# Altium PCB KlusterLab r2.0.PcbDoc (part 10 of 22)
Units mm, origin at the board's own origin, x right, y up, seen from the top; angles counter-clockwise.
Board outline 232 x 250 mm, 12 copper layers (L1 Top, L2 Inner1 (GND), L3 Inner2 (Sig), L4 Inner3 (GND), L5 Inner4 (PWR), L6 Inner5 (PWR), L7 Inner6 (PWR), L8 Inner7 (PWR), L9 Inner8 (GND), L10 Inner9 (Sig), L11 Inner10 (GND), L12 Bottom), stack 1.614 mm thick; 1169 components, 852 nets, 4679 pads, 5115 vias.
Unrouted connection lines stored in the file: 1.
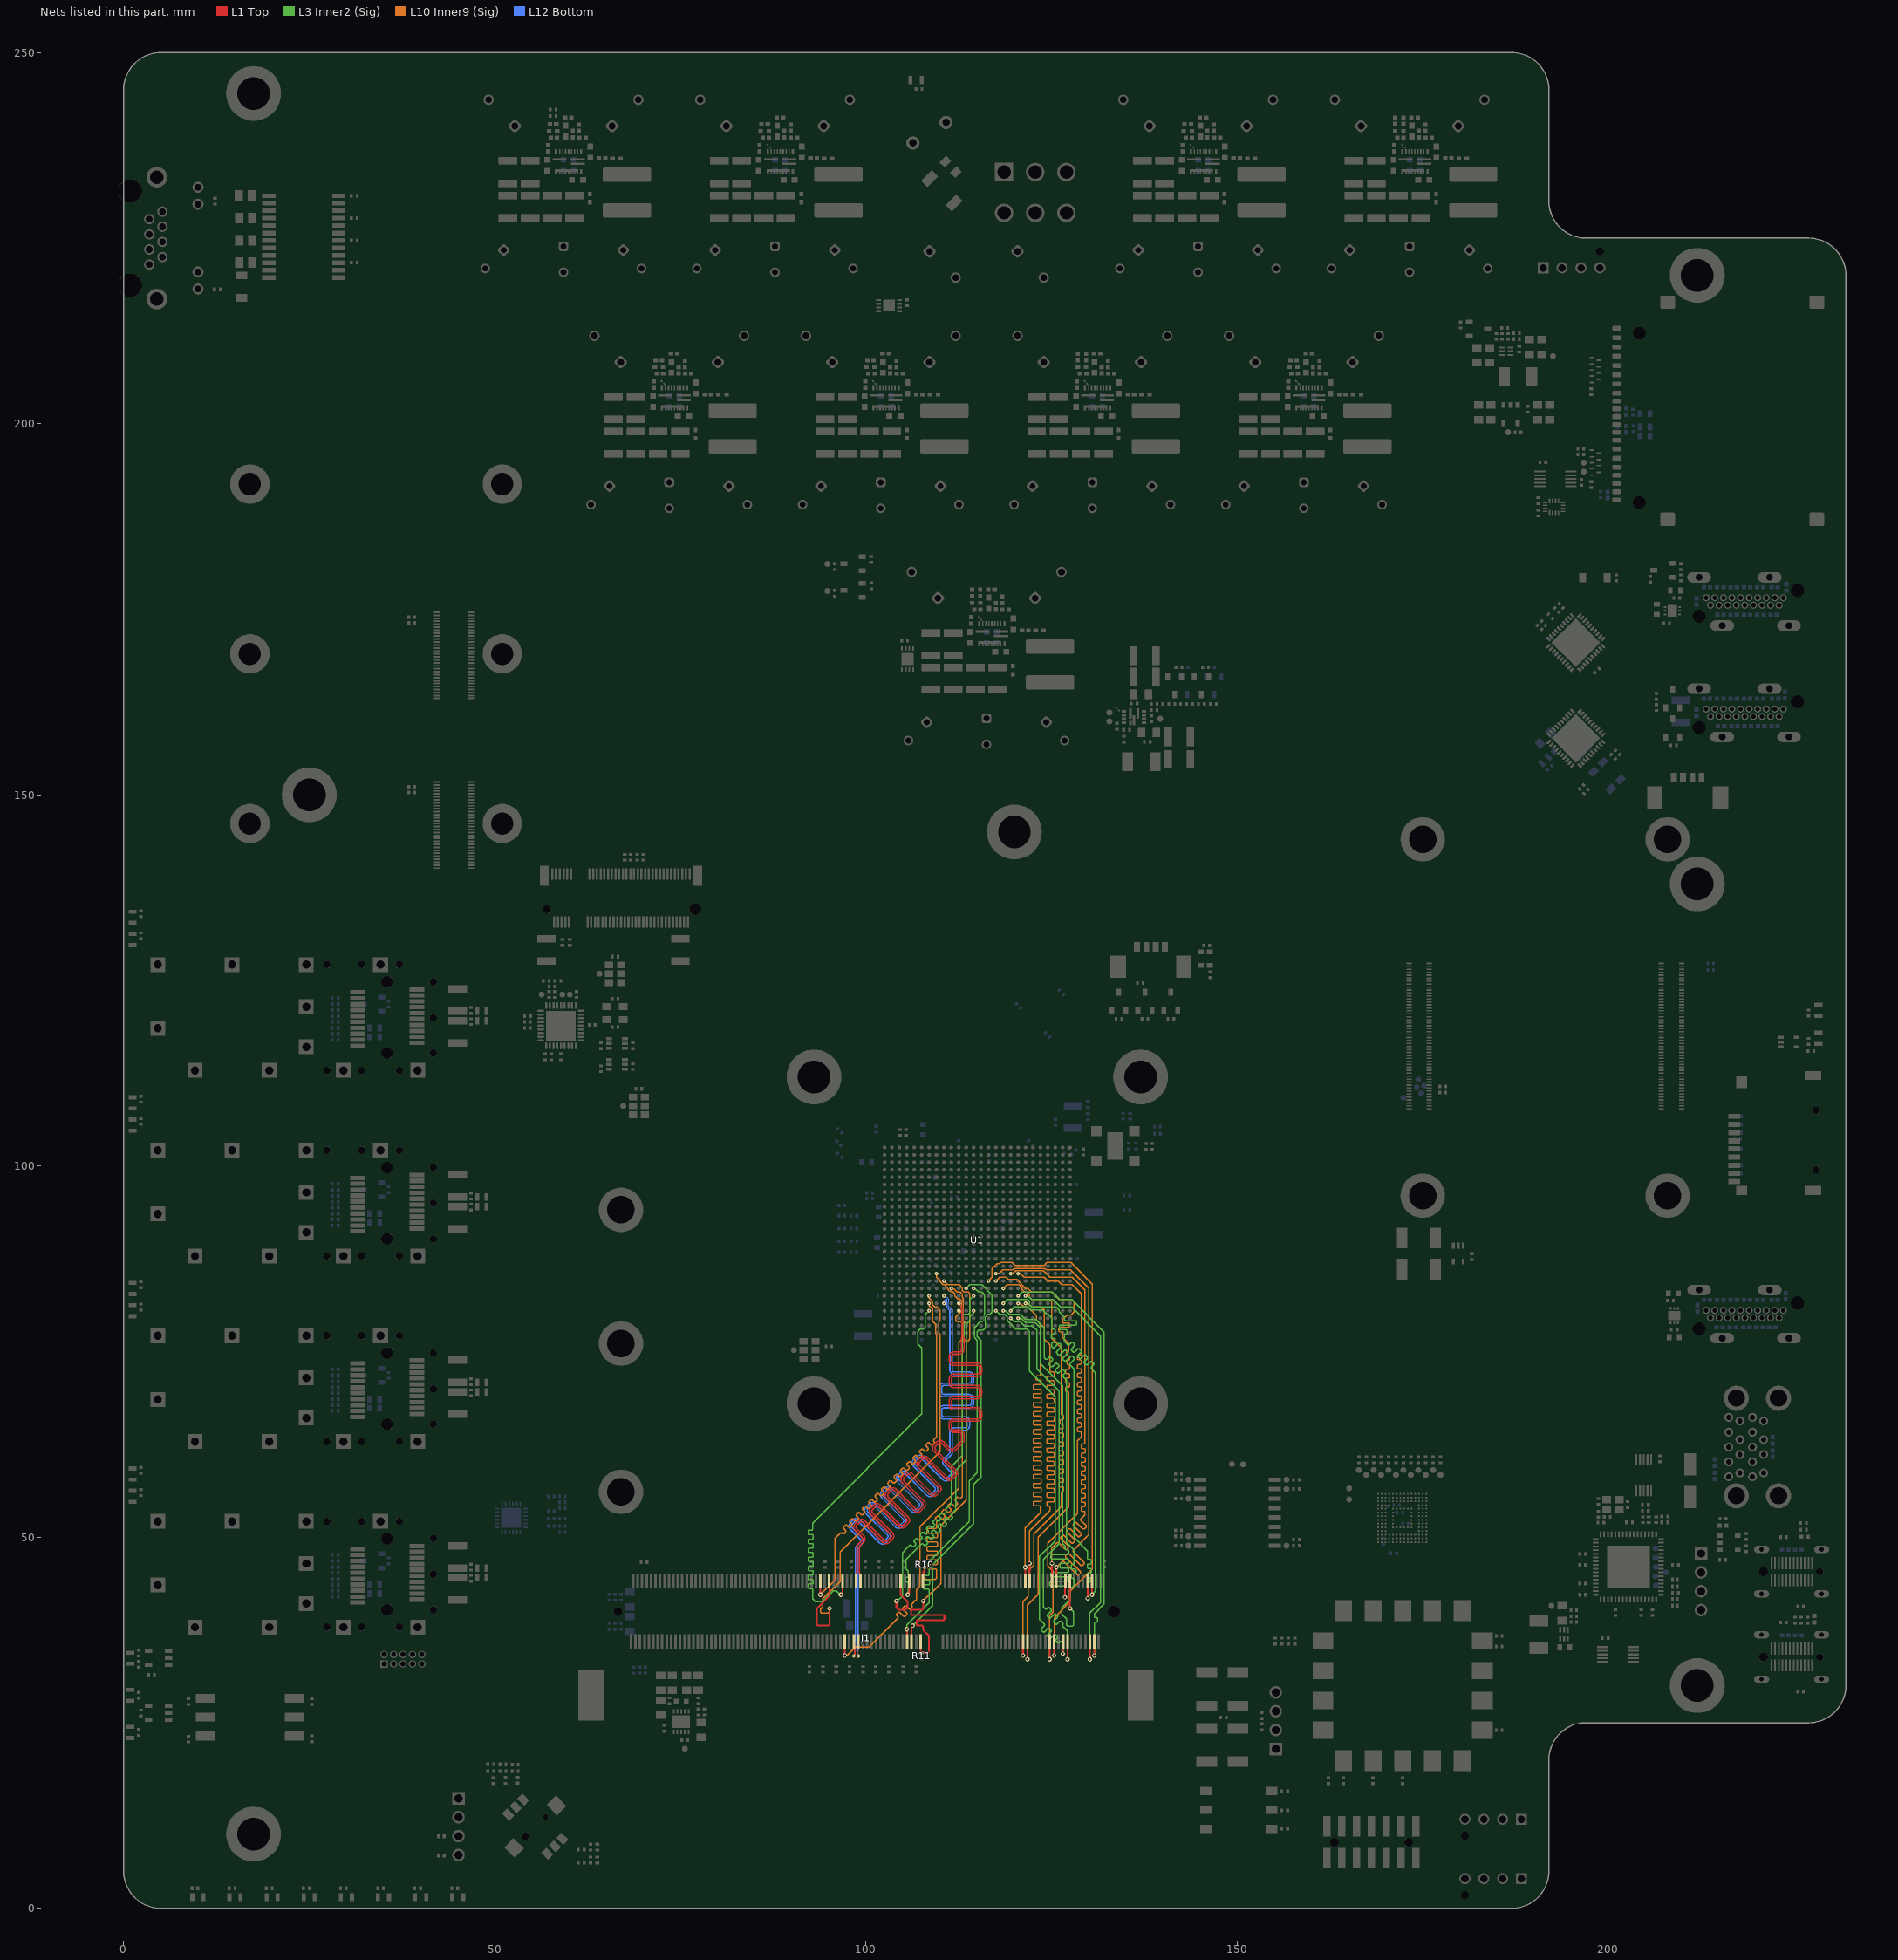
[diagram p20: the nets of this part, all layers, seen from the top]

## Via types
v1: diameter 0.45, hole 0.2, L1 Top to L12 Bottom, tented both sides, 4200 vias
v2: diameter 0.6, hole 0.3, L1 Top to L12 Bottom, tented both sides, 908 vias
v3: diameter 0.4, hole 0.2, L1 Top to L12 Bottom, tented both sides, 7 vias

## Nets (pads, with @x,y where several pads share a name; then routed paths per layer and width w, separated by ;. In a path a pad name is that pad's centre, name@x,y a point inside that pad or via, vN(x,y) a via of type N, cw(c..) or ccw(c..) an arc to the next point about the centre after c; other vN are vias at no path point) (continued)
DDR3_A12: J1.83 U1.AA13 | length 57
  L1 Top w0.249: v2(104.1,41.4) 104.1,40.5 104.4,40.2 105.3,40.2 105.6,40.5 105.6,41.3 104.65,42.25 J1.83@104.65,44.1
  L3 Inner2 (Sig) w0.154: v2(104.1,41.4) 104.221,41.4 104.9,42.079 104.9,47.9 105.406,48.406 105.888,48.888 cw(c105.997,48.779) 106.106,48.888 106.244,48.75 ccw(c106.35,48.857) 106.457,48.75 106.671,48.964 ccw(c106.564,49.07) 106.671,49.177 106.502,49.346 cw(c106.609,49.452) 106.502,49.559 106.716,49.773 cw(c106.822,49.666) 106.929,49.773 107.098,49.604 ccw(c107.205,49.711) 107.311,49.604 107.525,49.818 ccw(c107.418,49.925) 107.525,50.031 107.356,50.2 cw(c107.463,50.307) 107.356,50.413 107.57,50.627 cw(c107.677,50.52) 107.783,50.627 107.952,50.458 ccw(c108.059,50.565) 108.166,50.458 108.379,50.672 ccw(c108.272,50.779) 108.379,50.886 108.211,51.054 cw(c108.317,51.161) 108.211,51.268 108.424,51.481 cw(c108.531,51.374) 108.638,51.481 108.806,51.313 ccw(c108.913,51.419) 109.02,51.313 109.233,51.526 ccw(c109.127,51.633) 109.233,51.74 109.065,51.908 cw(c109.172,52.015) 109.065,52.122 109.278,52.335 cw(c109.385,52.229) 109.492,52.335 109.637,52.19 ccw(c109.744,52.297) 109.851,52.19 110.064,52.404 ccw(c109.958,52.511) 110.064,52.617 109.919,52.763 cw(c110.026,52.869) 109.919,52.976 110.133,53.19 cw(c110.239,53.083) 110.346,53.19 110.377,53.159 ccw(c110.484,53.266) 110.59,53.159 110.804,53.373 ccw(c110.697,53.479) 110.804,53.586 cw(c110.913,53.695) 110.804,53.804 111.294,54.294 111.5,54.5 111.5,59.5 113,61 113,72.979 ; 113,72.98 113,76.5 113.2,76.7 113.2,79 113,79.2 113,79.8 113.2,80 113.8,80 114,80.2 114,82 v1(114.5,82.5)
DDR3_A13: J1.119 U1.AB7 | length 62.8
  L1 Top w0.249: v2(93.85,42.25) J1.119@93.85,44.1
  L10 Inner9 (Sig) w0.154: v2(93.85,42.25) 95.8,44.2 95.8,49.8 96.06,50.06 96.542,50.542 cw(c96.651,50.433) 96.76,50.542 96.812,50.489 ccw(c96.919,50.596) 97.026,50.489 97.239,50.703 ccw(c97.132,50.81) 97.239,50.916 97.001,51.155 cw(c97.107,51.262) 97.001,51.369 97.214,51.582 cw(c97.321,51.475) 97.428,51.582 97.666,51.344 ccw(c97.773,51.45) 97.88,51.344 98.093,51.557 ccw(c97.987,51.664) 98.093,51.771 97.855,52.009 cw(c97.962,52.116) 97.855,52.223 98.068,52.436 cw(c98.175,52.33) 98.282,52.436 98.521,52.198 ccw(c98.627,52.305) 98.734,52.198 98.948,52.411 ccw(c98.841,52.518) 98.948,52.625 98.709,52.864 cw(c98.816,52.97) 98.709,53.077 98.923,53.291 cw(c99.029,53.184) 99.136,53.291 99.375,53.052 ccw(c99.482,53.159) 99.588,53.052 99.802,53.266 ccw(c99.695,53.372) 99.802,53.479 99.563,53.718 cw(c99.67,53.825) 99.563,53.931 99.777,54.145 cw(c99.884,54.038) 99.99,54.145 100.229,53.906 ccw(c100.336,54.013) 100.443,53.906 100.656,54.12 ccw(c100.549,54.227) 100.656,54.333 100.417,54.572 cw(c100.524,54.679) 100.417,54.786 100.631,54.999 cw(c100.738,54.892) 100.845,54.999 101.083,54.761 ccw(c101.19,54.867) 101.297,54.761 101.51,54.974 ccw(c101.404,55.081) 101.51,55.188 101.272,55.426 cw(c101.379,55.533) 101.272,55.64 101.485,55.853 cw(c101.592,55.747) 101.699,55.853 101.938,55.615 ccw(c102.044,55.722) 102.151,55.615 102.365,55.828 ccw(c102.258,55.935) 102.365,56.042 102.126,56.281 cw(c102.233,56.387) 102.126,56.494 102.34,56.708 cw(c102.446,56.601) 102.553,56.708 102.792,56.469 ccw(c102.899,56.576) 103.005,56.469 103.219,56.683 ccw(c103.112,56.789) 103.219,56.896 102.98,57.135 cw(c103.087,57.242) 102.98,57.348 103.194,57.562 cw(c103.301,57.455) 103.407,57.562 103.646,57.323 ccw(c103.753,57.43) 103.86,57.323 104.073,57.537 ccw(c103.966,57.644) 104.073,57.75 103.834,57.989 cw(c103.941,58.096) 103.834,58.203 104.048,58.416 cw(c104.155,58.309) 104.262,58.416 104.5,58.178 ccw(c104.607,58.284) 104.714,58.178 104.927,58.391 ccw(c104.821,58.498) 104.927,58.605 104.689,58.843 cw(c104.796,58.95) 104.689,59.057 104.902,59.27 cw(c105.009,59.164) 105.116,59.27 105.355,59.032 ccw(c105.461,59.139) 105.568,59.032 105.782,59.245 ccw(c105.675,59.352) 105.782,59.459 105.543,59.698 cw(c105.65,59.804) 105.543,59.911 105.757,60.125 cw(c105.863,60.018) 105.97,60.125 106.209,59.886 ccw(c106.316,59.993) 106.422,59.886 106.636,60.1 ccw(c106.529,60.206) 106.636,60.313 106.397,60.552 cw(c106.504,60.659) 106.397,60.765 106.611,60.979 cw(c106.718,60.872) 106.824,60.979 107.063,60.74 ccw(c107.17,60.847) 107.277,60.74 107.49,60.954 ccw(c107.383,61.061) 107.49,61.167 107.251,61.406 cw(c107.358,61.513) 107.251,61.62 107.465,61.833 cw(c107.572,61.726) 107.679,61.833 107.917,61.595 ccw(c108.024,61.701) 108.131,61.595 108.344,61.808 ccw(c108.238,61.915) 108.344,62.022 108.106,62.26 cw(c108.212,62.367) 108.106,62.474 108.319,62.687 cw(c108.426,62.581) 108.533,62.687 108.771,62.449 ccw(c108.878,62.556) 108.985,62.449 109.199,62.662 ccw(c109.092,62.769) 109.199,62.876 109.146,62.928 cw(c109.255,63.037) 109.146,63.146 109.414,63.414 109.5,63.5 109.5,77.3 109.4,77.4 109.4,78.7 109,79.1 109,80.7 108.518,81.182 108.518,81.482 v1(108.5,81.5)
DDR3_A14: J1.80 U1.Y13 | length 56.1
  L1 Top w0.249: v2(105.5,37.6) 105.525,37.575 105.525,35.925 J1.80@105.55,35.9
  L3 Inner2 (Sig) w0.1: 115.7,79 115.9,79.2 115.9,79.9 116,80
  L3 Inner2 (Sig) w0.154: v2(105.5,37.6) 105.5,38.2 108.5,41.2 108.5,42.788 108.5,42.865 ccw(c108.346,42.865) 108.346,43.019 107.891,43.019 cw(c107.891,43.17) 107.74,43.17 107.74,43.472 cw(c107.891,43.472) 107.891,43.623 108.439,43.623 ccw(c108.439,43.774) 108.59,43.774 108.59,44.076 ccw(c108.439,44.076) 108.439,44.227 107.891,44.227 cw(c107.891,44.378) 107.74,44.378 107.74,44.681 cw(c107.891,44.681) 107.891,44.832 108.346,44.832 ccw(c108.346,44.986) 108.5,44.986 108.5,45.7 108.5,46.7 113.9,52.1 113.9,57.6 115,58.7 115,76.5 114.6,76.9 114.6,77.8 114.6,78.2 115.4,79 115.7,79 ; v1(114.5,83.5) 114.557,83.443 114.757,83.443 115.2,83 115.6,83 116,82.6 116,80
DDR3_A15: J1.78 U1.Y12 | length 56.4
  L1 Top w0.249: J1.78@106.15,35.9 106.15,37.855 106.3,38.005 v2(106.3,38.1)
  L3 Inner2 (Sig) w0.1: 116.1,79 116.1,79.7 116.3,79.9
  L3 Inner2 (Sig) w0.154: v2(106.3,38.1) 109,40.8 109,46.3 114.5,51.8 114.5,57.1 115.5,58.1 115.5,72.98 115.5,76.5 115,77 115,77.7 115.2,77.9 115.8,77.9 116.1,78.2 116.1,78.332 116.098,78.333 116.098,78.998 116.1,79 ; v1(113.5,83.5) 114,84 115.6,84 117,82.6 117,80.3 116.7,80 116.4,80 116.3,79.9
DDR3_BA0: J1.109 U1.AC7 | length 60.4
  L1 Top w0.249: v2(96.625,42.25) 96.625,42.345 96.85,42.57 J1.109@96.85,44.1
  L3 Inner2 (Sig) w0.15: 107.5,73.1 107.5,75.5 107,76 107,77.7 107.3,78 107.7,78 108,78.3 108,80 v1(108.5,80.5)
  L3 Inner2 (Sig) w0.154: v2(96.625,42.25) 96.574,42.25 96.024,42.8 95.6,42.8 94.1,41.3 93.2,41.3 92.8,41.7 92.8,42.859 92.8,42.936 ccw(c92.646,42.936) 92.646,43.09 92.365,43.09 cw(c92.365,43.241) 92.214,43.241 92.214,43.543 cw(c92.365,43.543) 92.365,43.694 92.752,43.694 ccw(c92.752,43.845) 92.903,43.845 92.903,44.147 ccw(c92.752,44.147) 92.752,44.298 92.365,44.298 cw(c92.365,44.449) 92.214,44.449 92.214,44.751 cw(c92.365,44.751) 92.365,44.902 92.752,44.902 ccw(c92.752,45.053) 92.903,45.053 92.903,45.355 ccw(c92.752,45.355) 92.752,45.506 92.365,45.506 cw(c92.365,45.657) 92.214,45.657 92.214,45.959 cw(c92.365,45.959) 92.365,46.11 92.752,46.11 ccw(c92.752,46.261) 92.903,46.261 92.903,46.563 ccw(c92.752,46.563) 92.752,46.714 92.365,46.714 cw(c92.365,46.865) 92.214,46.865 92.214,47.167 cw(c92.365,47.167) 92.365,47.318 92.752,47.318 ccw(c92.752,47.469) 92.903,47.469 92.903,47.771 ccw(c92.752,47.771) 92.752,47.922 92.365,47.922 cw(c92.365,48.073) 92.214,48.073 92.214,48.375 cw(c92.365,48.375) 92.365,48.526 92.752,48.526 ccw(c92.752,48.677) 92.903,48.677 92.903,48.979 ccw(c92.752,48.979) 92.752,49.13 92.365,49.13 cw(c92.365,49.281) 92.214,49.281 92.214,49.583 cw(c92.365,49.583) 92.365,49.734 92.752,49.734 ccw(c92.752,49.885) 92.903,49.885 92.903,50.187 ccw(c92.752,50.187) 92.752,50.338 92.365,50.338 cw(c92.365,50.489) 92.214,50.489 92.214,50.791 cw(c92.365,50.791) 92.365,50.942 92.646,50.942 ccw(c92.646,51.096) 92.8,51.096 92.8,51.6 92.8,51.9 107.5,66.6 107.5,73.1
  L10 Inner9 (Sig) w0.15: v1(108.5,80.5) v1@108.557,80.443
DDR3_BA1: J1.108 U1.V8 | length 66.8
  L1 Top w0.249: v2(97.15,34.05) J1.108@97.15,35.9
  L10 Inner9 (Sig) w0.154: v2(97.15,34.05) 97.221,34.121 97.521,34.121 98.6,35.2 100.4,35.2 104.222,39.022 104.277,39.077 ccw(c104.168,39.186) 104.277,39.295 104.139,39.433 cw(c104.246,39.539) 104.139,39.646 104.353,39.86 cw(c104.459,39.753) 104.566,39.86 105.06,39.366 ccw(c105.166,39.473) 105.273,39.366 105.487,39.58 ccw(c105.38,39.686) 105.487,39.793 105.012,40.268 cw(c105.118,40.375) 105.012,40.482 105.225,40.696 cw(c105.332,40.589) 105.439,40.696 105.776,40.358 ccw(c105.883,40.465) 105.99,40.358 106.203,40.572 ccw(c106.096,40.679) 106.203,40.785 cw(c106.312,40.894) 106.203,41.003 106.6,41.4 106.8,41.6 106.8,42.9 107.3,43.4 107.3,51.4 112.5,56.6 112.5,76.2 113,76.7 113,78.8 112.8,79 112.3,79 112.1,79.2 112.1,79.7 112.848,80.448 112.848,81.852 112.6,82.1 112.379,82.1 112,82.479 112,82.767 111.7,83.067 111.365,83.067 111.098,83.333 111.098,83.402 111,83.5 111,83.574 110.574,84 110.4,84 109.978,84.422 109.978,84.59 109.525,85.044 109.525,85.475 v1(109.5,85.5)
DDR3_BA2: J1.79 U1.AC13 | length 49.9
  L1 Top w0.249: v2(105.625,42.25) 105.625,42.345 105.85,42.57 J1.79@105.85,44.1
  L3 Inner2 (Sig) w0.154: v2(105.625,42.25) 105.7,42.325 105.7,42.533 105.7,43.819 ccw(c105.546,43.819) 105.546,43.973 105.444,43.973 cw(c105.444,44.124) 105.293,44.124 105.293,44.426 cw(c105.444,44.426) 105.444,44.577 105.546,44.577 ccw(c105.546,44.731) 105.7,44.731 105.7,45.332 105.7,45.4 105.4,45.7 105.4,47 106.979,48.579 107.46,49.06 cw(c107.569,48.951) 107.678,49.06 107.837,48.901 ccw(c107.944,49.008) 108.05,48.901 108.264,49.115 ccw(c108.157,49.222) 108.264,49.328 107.979,49.613 cw(c108.086,49.72) 107.979,49.827 108.193,50.04 cw(c108.3,49.933) 108.406,50.04 108.691,49.756 ccw(c108.798,49.862) 108.905,49.756 109.118,49.969 ccw(c109.011,50.076) 109.118,50.183 108.834,50.467 cw(c108.94,50.574) 108.834,50.681 109.047,50.894 cw(c109.154,50.788) 109.261,50.894 109.545,50.61 ccw(c109.652,50.717) 109.759,50.61 109.972,50.823 ccw(c109.866,50.93) 109.972,51.037 109.688,51.322 cw(c109.795,51.428) 109.688,51.535 109.901,51.749 cw(c110.008,51.642) 110.115,51.749 110.4,51.464 ccw(c110.506,51.571) 110.613,51.464 110.827,51.678 ccw(c110.72,51.784) 110.827,51.891 110.542,52.176 cw(c110.649,52.283) 110.542,52.389 110.756,52.603 cw(c110.862,52.496) 110.969,52.603 111.209,52.363 ccw(c111.316,52.469) 111.423,52.363 111.637,52.576 ccw(c111.53,52.683) 111.637,52.79 111.522,52.904 cw(c111.631,53.013) 111.522,53.122 112.035,53.635 112.1,53.7 112.1,59 113.5,60.4 113.5,78.7 114,79.2 114,79.7 114.482,80.182 114.482,80.482 v1(114.5,80.5)
DDR3_C\A\S\: J1.115 U1.AA7 | length 62.5
  L1 Top w0.249: J1.115@95.05,44.1 95.075,44.075 95.075,42.075 93.4,40.4 93.4,38.246 93.546,38.1 94.954,38.1 95.1,38.246 v2(95.1,40.4)
  L10 Inner9 (Sig) w0.154: v2(95.1,40.4) 95.079,40.379 95.079,39.979 94.9,39.8 93.985,39.8 93.894,39.89 93.894,40.294 94.2,40.6 94.2,41.7 96.5,44 96.5,48 110,61.5 110,77.3 109.8,77.5 109.8,79 110,79.2 110,80.569 109.569,81 109.3,81 109,81.3 109,81.7 108.517,82.183 108.517,82.485 v1(108.5,82.502)
DDR3_CKE0: J1.73 R10.2 U1.Y10 | length 63.8
  L1 Top w0.249: J1.73@107.65,44.1 107.701,44.151 107.701,45.301 107.9,45.5 v1(107.9,45.905)
  L10 Inner9 (Sig) w0.15: v1(111.5,83.5) 111.557,83.443 111.857,83.443 112.3,83 112.7,83 113,82.7 113,82.3 113.1,82.2 113.1,79.2 113.5,78.8 113.5,76.7 113.25,76.45
  L10 Inner9 (Sig) w0.154: v1(107.9,45.905) 107.9,44.5 108.1,44.3 109.3,44.3 109.5,44.5 109.5,45.489 109.5,45.566 ccw(c109.346,45.566) 109.346,45.72 108.507,45.72 cw(c108.507,45.871) 108.356,45.871 108.356,46.173 cw(c108.507,46.173) 108.507,46.324 109.485,46.324 ccw(c109.485,46.476) 109.636,46.476 109.636,46.778 ccw(c109.485,46.778) 109.485,46.929 108.369,46.929 cw(c108.369,47.08) 108.218,47.08 108.218,47.382 cw(c108.369,47.382) 108.369,47.533 109.485,47.533 ccw(c109.485,47.684) 109.636,47.684 109.636,47.986 ccw(c109.485,47.986) 109.485,48.137 108.369,48.137 cw(c108.369,48.288) 108.218,48.288 108.218,48.59 cw(c108.369,48.59) 108.369,48.741 109.485,48.741 ccw(c109.485,48.892) 109.636,48.892 109.636,49.194 ccw(c109.485,49.194) 109.485,49.345 108.369,49.345 cw(c108.369,49.496) 108.218,49.496 108.218,49.798 cw(c108.369,49.798) 108.369,49.949 109.485,49.949 ccw(c109.485,50.1) 109.636,50.1 109.636,50.402 ccw(c109.485,50.402) 109.485,50.553 108.369,50.553 cw(c108.369,50.704) 108.218,50.704 108.218,51.006 cw(c108.369,51.006) 108.369,51.157 109.346,51.157 ccw(c109.346,51.311) 109.5,51.311 109.5,51.96 109.5,51.973 109.5,52 109.541,52.041 ccw(c109.432,52.15) 109.541,52.259 109.397,52.403 cw(c109.504,52.51) 109.397,52.616 109.611,52.83 cw(c109.718,52.723) 109.825,52.83 110.158,52.497 ccw(c110.265,52.603) 110.371,52.497 110.585,52.71 ccw(c110.478,52.817) 110.585,52.924 110.252,53.257 cw(c110.358,53.364) 110.252,53.471 110.465,53.684 cw(c110.572,53.577) 110.679,53.684 111.012,53.351 ccw(c111.119,53.458) 111.226,53.351 111.439,53.564 ccw(c111.332,53.671) 111.439,53.778 111.106,54.111 cw(c111.213,54.218) 111.106,54.325 111.319,54.538 cw(c111.426,54.432) 111.533,54.538 111.866,54.205 ccw(c111.973,54.312) 112.08,54.205 112.293,54.419 ccw(c112.187,54.525) 112.293,54.632 112.018,54.908 cw(c112.125,55.015) 112.018,55.121 112.231,55.335 cw(c112.338,55.228) 112.445,55.335 112.531,55.249 ccw(c112.64,55.358) 112.749,55.249 112.982,55.482 113,55.5 113,76.2 113.25,76.45
DDR3_CKE1: J1.74 R11.2 U1.W9 | length 68.1
  L1 Top w0.249: R11.2@107.35,34.495 J1.74@107.35,35.9 ; R11.2@107.5,34.395 107.566,34.461 108.354,34.461 108.5,34.606 108.5,36.7 107.7,37.5 107.7,37.74 107.7,37.865 ccw(c107.451,37.865) 107.451,38.114 106.999,38.114 cw(c106.999,38.288) 106.825,38.288 106.825,38.638 cw(c106.999,38.638) 106.999,38.813 110.388,38.813 ccw(c110.388,38.987) 110.563,38.987 110.563,39.337 ccw(c110.388,39.337) 110.388,39.512 106.235,39.512 cw(c106.235,39.686) 106.061,39.686 106.061,40.036 cw(c106.235,40.036) 106.235,40.211 107.451,40.211 ccw(c107.451,40.46) 107.7,40.46 107.7,41.192 v2(107.7,41.4)
  L10 Inner9 (Sig) w0.154: v2(107.7,41.4) 110.1,43.8 110.1,51.6 113.5,55 113.5,76.2 114,76.7 114,82.8 113.8,83 113.2,83 113,83.2 113,83.569 112.569,84 111,84 v1(110.5,84.5)
DDR3_CLK0_N: J1.103 U1.AC11 | length 115.2
  L1 Top w0.1: U1.AC11@112.5,80.5 112.556,80.556 112.556,80.809 112.717,80.97 112.8,80.97 112.9,80.87 112.9,77.251 112.934,77.217 112.934,76.97 112.877,76.913
  L1 Top w0.189: J1.103@98.65,44.1 98.731,44.181 98.731,45.156 98.792,45.217 98.792,48.892 99.288,49.388 99.466,49.566 ccw(c99.256,49.776) 99.466,49.986 98.513,50.939 cw(c98.946,51.372) 98.513,51.805 98.933,52.226 cw(c99.366,51.792) 99.799,52.226 102.505,49.52 ccw(c102.715,49.73) 102.925,49.52 103.345,49.94 ccw(c103.135,50.15) 103.345,50.36 100.64,53.066 cw(c101.073,53.499) 100.64,53.932 101.06,54.352 cw(c101.493,53.919) 101.926,54.352 104.632,51.647 ccw(c104.842,51.857) 105.052,51.647 105.472,52.067 ccw(c105.262,52.277) 105.472,52.487 102.767,55.193 cw(c103.2,55.626) 102.767,56.059 103.187,56.479 cw(c103.62,56.046) 104.053,56.479 106.759,53.774 ccw(c106.969,53.984) 107.179,53.774 107.599,54.194 ccw(c107.389,54.404) 107.599,54.614 104.894,57.32 cw(c105.327,57.753) 104.894,58.186 105.314,58.606 cw(c105.747,58.173) 106.18,58.606 108.886,55.901 ccw(c109.096,56.111) 109.306,55.901 109.726,56.321 ccw(c109.516,56.531) 109.726,56.741 107.021,59.447 cw(c107.454,59.88) 107.021,60.313 107.441,60.733 cw(c107.874,60.3) 108.307,60.733 111.013,58.028 ccw(c111.223,58.238) 111.433,58.028 111.853,58.448 ccw(c111.643,58.658) 111.853,58.868 109.148,61.574 cw(c109.581,62.007) 109.148,62.44 109.568,62.86 cw(c110.001,62.427) 110.434,62.86 111.387,61.907 ccw(c111.597,62.117) 111.807,61.907 112.632,62.732 112.877,62.977 112.877,63.577 112.877,63.829 ccw(c112.579,63.829) 112.579,64.126 111.824,64.126 cw(c111.824,64.739) 111.211,64.739 111.211,65.333 cw(c111.824,65.333) 111.824,65.946 114.975,65.946 ccw(c114.975,66.243) 115.272,66.243 115.272,66.837 ccw(c114.975,66.837) 114.975,67.134 111.824,67.134 cw(c111.824,67.747) 111.211,67.747 111.211,68.341 cw(c111.824,68.341) 111.824,68.954 114.975,68.954 ccw(c114.975,69.251) 115.272,69.251 115.272,69.845 ccw(c114.975,69.845) 114.975,70.142 111.824,70.142 cw(c111.824,70.755) 111.211,70.755 111.211,71.349 cw(c111.824,71.349) 111.824,71.962 114.975,71.962 ccw(c114.975,72.259) 115.272,72.259 115.272,72.853 ccw(c114.975,72.853) 114.975,73.15 111.824,73.15 cw(c111.824,73.763) 111.211,73.763 111.211,74.357 cw(c111.824,74.357) 111.824,74.97 112.579,74.97 ccw(c112.579,75.267) 112.877,75.267 112.877,76.257 112.877,76.913
DDR3_CLK0_P: J1.101 U1.AB11 | length 115.5
  L1 Top w0.1: U1.AB11@112.553,81.5 U1.AB11@112.5,81.5 112.5,81.4 112.7,81.2 112.853,81.2 113.1,80.953 113.1,77.334 113.134,77.3 113.134,76.913
  L1 Top w0.189: J1.101@99.25,44.1 99.169,44.181 99.169,45.156 99.108,45.217 99.108,48.762 99.511,49.164 99.689,49.343 ccw(c99.256,49.776) 99.689,50.209 98.736,51.162 cw(c98.946,51.372) 98.736,51.582 99.156,52.002 cw(c99.366,51.792) 99.576,52.002 102.282,49.297 ccw(c102.715,49.73) 103.148,49.297 103.568,49.717 ccw(c103.135,50.15) 103.568,50.583 100.863,53.289 cw(c101.073,53.499) 100.863,53.709 101.283,54.129 cw(c101.493,53.919) 101.703,54.129 104.409,51.424 ccw(c104.842,51.857) 105.275,51.424 105.695,51.844 ccw(c105.262,52.277) 105.695,52.71 102.99,55.416 cw(c103.2,55.626) 102.99,55.836 103.41,56.256 cw(c103.62,56.046) 103.83,56.256 106.536,53.551 ccw(c106.969,53.984) 107.402,53.551 107.822,53.971 ccw(c107.389,54.404) 107.822,54.837 105.117,57.543 cw(c105.327,57.753) 105.117,57.963 105.537,58.383 cw(c105.747,58.173) 105.957,58.383 108.663,55.678 ccw(c109.096,56.111) 109.529,55.678 109.949,56.098 ccw(c109.516,56.531) 109.949,56.964 107.244,59.67 cw(c107.454,59.88) 107.244,60.09 107.664,60.51 cw(c107.874,60.3) 108.084,60.51 110.79,57.805 ccw(c111.223,58.238) 111.656,57.805 112.076,58.225 ccw(c111.643,58.658) 112.076,59.091 109.371,61.797 cw(c109.581,62.007) 109.371,62.217 109.791,62.637 cw(c110.001,62.427) 110.211,62.637 111.164,61.685 ccw(c111.597,62.117) 112.03,61.684 112.855,62.509 113.192,62.846 113.192,63.577 113.192,63.829 ccw(c112.579,63.829) 112.579,64.442 111.824,64.442 cw(c111.824,64.739) 111.526,64.739 111.526,65.333 cw(c111.824,65.333) 111.824,65.63 114.975,65.63 ccw(c114.975,66.243) 115.588,66.243 115.588,66.837 ccw(c114.975,66.837) 114.975,67.45 111.824,67.45 cw(c111.824,67.747) 111.526,67.747 111.526,68.341 cw(c111.824,68.341) 111.824,68.638 114.975,68.638 ccw(c114.975,69.251) 115.588,69.251 115.588,69.845 ccw(c114.975,69.845) 114.975,70.458 111.824,70.458 cw(c111.824,70.755) 111.526,70.755 111.526,71.349 cw(c111.824,71.349) 111.824,71.646 114.975,71.646 ccw(c114.975,72.259) 115.588,72.259 115.588,72.853 ccw(c114.975,72.853) 114.975,73.466 111.824,73.466 cw(c111.824,73.763) 111.526,73.763 111.526,74.357 cw(c111.824,74.357) 111.824,74.654 112.579,74.654 ccw(c112.579,75.267) 113.192,75.267 113.192,76.257 113.192,76.913
DDR3_CLK1_N: J1.104 U1.AB9 | length 121.3
  L1 Top w0.189: J1.104@98.35,35.9 98.431,35.819 98.431,34.844 98.492,34.783 98.492,34.213
  L12 Bottom w0.1: v1(110.5,81.5) 110.5,81.866 110.734,82.1 110.841,82.1 110.9,82.041 110.9,81 111.1,80.8 111.1,80.718
  L12 Bottom w0.189: v1(98.35,34) 98.35,34.071 98.492,34.213 98.492,34.7 98.584,34.792 98.584,48.631 99.06,49.106 99.238,49.284 ccw(c99.028,49.494) 99.238,49.704 97.881,51.061 cw(c98.314,51.494) 97.881,51.928 98.301,52.348 cw(c98.734,51.915) 99.168,52.348 102.043,49.473 ccw(c102.253,49.683) 102.463,49.473 102.883,49.893 ccw(c102.673,50.103) 102.883,50.313 100.008,53.188 cw(c100.441,53.621) 100.008,54.055 100.428,54.475 cw(c100.861,54.042) 101.295,54.475 104.17,51.6 ccw(c104.38,51.81) 104.59,51.6 105.01,52.02 ccw(c104.8,52.23) 105.01,52.44 102.135,55.315 cw(c102.568,55.748) 102.135,56.181 102.555,56.602 cw(c102.988,56.169) 103.422,56.602 106.297,53.727 ccw(c106.507,53.937) 106.717,53.727 107.137,54.147 ccw(c106.927,54.357) 107.137,54.567 104.262,57.442 cw(c104.695,57.875) 104.262,58.308 104.682,58.729 cw(c105.115,58.295) 105.548,58.729 108.424,55.854 ccw(c108.634,56.064) 108.844,55.854 109.264,56.274 ccw(c109.054,56.484) 109.264,56.694 106.389,59.569 cw(c106.822,60.002) 106.389,60.435 106.809,60.856 cw(c107.242,60.422) 107.675,60.856 110.551,57.981 ccw(c110.761,58.191) 110.971,57.981 111.391,58.401 ccw(c111.181,58.611) 111.391,58.821 110.516,59.695 cw(c110.949,60.129) 110.516,60.562 111.3,61.346 111.3,62.278 111.3,62.3 111.3,64.117 cw(c111.913,64.117) 111.913,64.73 113.346,64.73 ccw(c113.346,65.027) 113.644,65.027 113.644,65.621 ccw(c113.346,65.621) 113.346,65.918 110.49,65.918 cw(c110.49,66.531) 109.877,66.531 109.877,67.125 cw(c110.49,67.125) 110.49,67.738 113.895,67.738 ccw(c113.895,68.035) 114.193,68.035 114.193,68.629 ccw(c113.895,68.629) 113.895,68.926 110.49,68.926 cw(c110.49,69.539) 109.877,69.539 109.877,70.133 cw(c110.49,70.133) 110.49,70.746 113.895,70.746 ccw(c113.895,71.043) 114.193,71.043 114.193,71.637 ccw(c113.895,71.637) 113.895,71.934 111.913,71.934 cw(c111.913,72.547) 111.3,72.547 111.3,72.799 111.3,80.518 111.1,80.718